# Allegro board BeagleBoard-X15_RevA2.brd (continued)
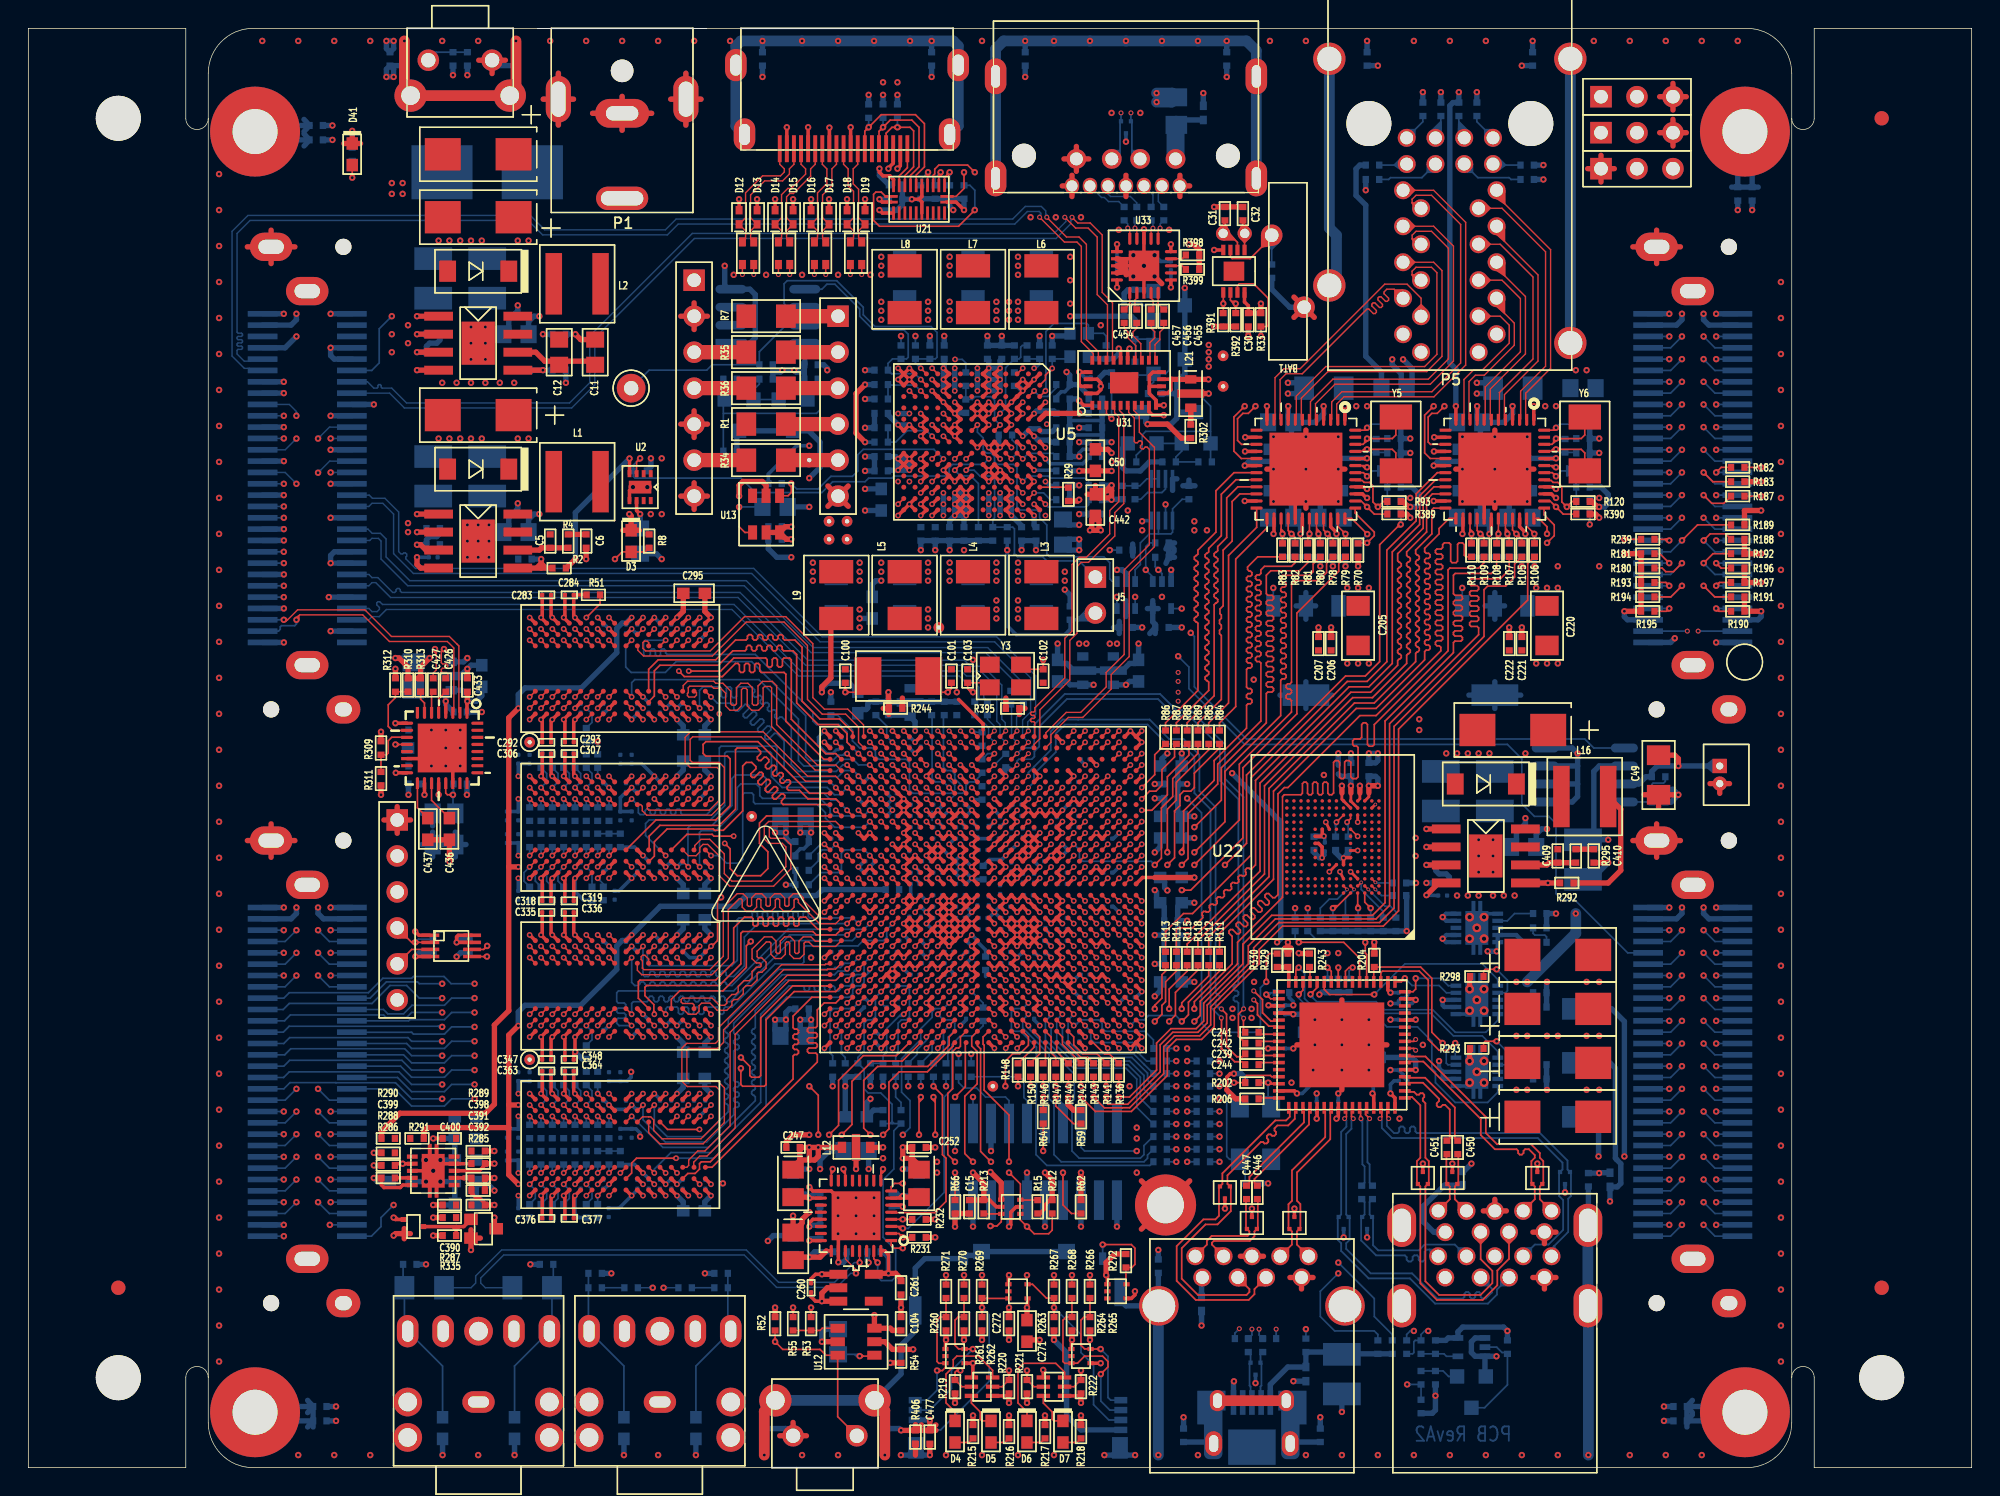
[diagram p0: board, top side]
## Routing (per net, layer and track width the routed paths; a pad name or vN(x,y) marks a point on that pad's centre or on a via; arc(x,y) is an arc through that point) (continued)
  SIG_L10 w0.094: v1(40.98,20.8) 40.68,20.8 40.58,20.9 40.58,21.17 41.8,22.39 41.8,31.52 41.31,32 40.98,32 v1(40.98,32) 40.67,32 40.58,32.1 40.58,32.42 40.91,32.75 42.22,32.75 42.54,33.08 42.54,33.8 42.64,33.89 42.82,33.89 42.92,33.8 42.92,33.08 43.25,32.75 43.76,32.75 44.09,33.08 44.09,33.8 44.19,33.89 44.37,33.89 44.47,33.8 44.47,33.08 44.8,32.75 45.31,32.75 45.64,33.08 45.64,33.8 45.74,33.89 45.92,33.89 46.02,33.8 46.02,33.08 46.35,32.75 46.86,32.75 47.19,33.08 47.19,33.8 47.29,33.89 47.47,33.89 47.57,33.8 47.57,33.08 47.89,32.75 48.41,32.75 48.74,33.08 48.74,33.8 48.83,33.89 49.02,33.89 49.12,33.8 49.12,32.74 49.49,32.37 50.84,32.37 55.26,36.79 55.26,40.3 55.35,40.39 55.59,40.39 55.68,40.47 55.68,40.58 55.59,40.67 55.35,40.67 55.26,40.75 55.26,40.87 55.35,40.95 55.59,40.95 55.68,41.03 55.68,41.15 55.59,41.23 55.35,41.23 55.26,41.31 55.26,41.55 56.12,42.41 v1(56.19,42.41)
  BOTTOM w0.12: R281.1 v1(40.98,20.8)
DDR2_CLK0N: length 48.8
  TOP w0.12: v1(40.18,20.8) U25.K7 ; v1(40.18,32) U26.K7 ; U11.T27 v1(56.99,42.41)
  SIG_L10 w0.094: v1(40.18,20.8) 40.18,21.34 41.4,22.56 41.4,31.35 41.15,31.6 40.58,31.6 v1(40.18,32) 40.18,32.02 40.19,32.03 40.19,32.59 40.75,33.15 42.05,33.15 42.14,33.24 42.14,33.96 42.47,34.29 42.99,34.29 43.32,33.96 43.32,33.24 43.41,33.15 43.6,33.15 43.69,33.24 43.69,33.96 44.02,34.29 44.54,34.29 44.87,33.96 44.87,33.24 44.96,33.15 45.15,33.15 45.24,33.24 45.24,33.96 45.57,34.29 46.09,34.29 46.42,33.96 46.42,33.24 46.51,33.15 46.7,33.15 46.79,33.24 46.79,33.96 47.12,34.29 47.64,34.29 47.97,33.96 47.97,33.24 48.06,33.15 48.25,33.15 48.34,33.24 48.34,33.96 48.67,34.29 49.19,34.29 49.52,33.96 49.52,32.91 49.66,32.77 50.67,32.77 54.86,36.96 54.86,41.66 56.01,42.8 56.35,42.8 56.75,42.41 v1(56.99,42.41)
  BOTTOM w0.12: R280.1 v1(40.18,20.8)
DDR2_CLK_TRM: length 1.6
  BOTTOM w0.12: C334.2 R281.2 R280.2
DDR2_CSN0: length 49.7
  TOP w0.12: U11.P24 v1(59.39,40.01) ; v1(39.38,36.8) U26.L2 ; v1(39.38,25.6) U25.L2
  SIG_L5 w0.094: v1(59.39,40.01) 58.88,40.51 54.61,40.51 54.48,40.39 54.48,39.46 54.39,39.37 54.2,39.37 54.11,39.46 54.11,40.18 54.02,40.26 53.91,40.26 53.82,40.18 53.82,39.45 53.74,39.37 53.63,39.37 53.54,39.45 53.54,40.18 53.46,40.26 53.34,40.26 53.26,40.18 53.26,39.45 53.18,39.37 53.06,39.37 52.98,39.45 52.98,40.18 52.9,40.26 52.78,40.26 52.7,40.18 52.7,39.45 52.61,39.37 52.5,39.37 52.41,39.45 52.41,40.18 52.33,40.26 52.22,40.26 52.13,40.18 52.13,39.45 52.05,39.37 51.93,39.37 51.85,39.45 51.85,40.18 51.77,40.26 51.65,40.26 51.57,40.18 51.57,39.45 51.49,39.37 51.37,39.37 51.29,39.45 51.29,40.18 51.2,40.26 51.09,40.26 51.01,40.18 51.01,39.45 50.92,39.37 50.81,39.37 50.72,39.45 50.72,40.18 50.64,40.26 50.52,40.26 50.44,40.18 50.44,39.45 49.85,38.86 40.64,38.86 39.78,38 39.78,37.24 39.38,36.84 v1(39.38,36.8) 38.98,36.4 38.98,33.03 39.74,32.26 39.74,29.91 39.62,29.79 39.62,29.63 39.74,29.51 39.74,29.35 39.62,29.23 39.62,29.07 39.74,28.95 39.74,28.79 39.62,28.66 39.62,28.5 39.74,28.38 39.74,28.22 39.62,28.1 39.62,27.94 39.74,27.82 39.74,27.66 39.62,27.54 39.62,27.38 39.74,27.26 39.74,27.09 39.62,26.97 39.62,26.81 39.74,26.69 39.74,25.97 v1(39.38,25.6)
  BOTTOM w0.12: R351.1 39.78,26.6 39.78,26 v1(39.38,25.6)
DDR2_D0: length 20.5
  TOP w0.12: v1(45.78,20.8) U25.D7 ; U11.E26 v1(57.79,32.81)
  INT_L3 w0.094: v1(57.79,32.81) 54.99,32.81 53.98,31.79 53.98,29.84 48.51,24.38 47.24,24.38 46.23,23.37 46.23,21.25 v1(45.78,20.8)
DDR2_D1: length 20.5
  TOP w0.12: v1(46.58,25.6) U25.C2 ; U11.G25 v1(58.59,34.41)
  INT_L3 w0.094: v1(46.58,25.6) 47,26.02 48.63,26.02 51.18,28.57 51.18,29.24 51.26,29.32 51.35,29.32 51.44,29.41 51.44,29.52 51.35,29.61 51.26,29.61 51.18,29.69 51.18,29.81 51.26,29.89 51.35,29.89 51.44,29.97 51.44,30.09 51.35,30.17 51.26,30.17 51.18,30.25 51.18,30.37 51.26,30.45 51.35,30.45 51.44,30.53 51.44,30.65 51.35,30.73 51.26,30.73 51.18,30.82 51.18,30.93 51.26,31.02 51.35,31.02 51.44,31.1 51.44,31.22 51.35,31.3 51.26,31.3 51.18,31.38 51.18,31.5 51.26,31.58 51.35,31.58 51.44,31.66 51.44,31.78 51.35,31.86 51.26,31.86 51.18,31.94 51.18,32.26 52.95,34.03 58.21,34.03 v1(58.59,34.41)
DDR2_D2: length 20.4
  TOP w0.12: v1(48.18,24.8) U25.A3 ; U11.F25 v1(58.59,33.61)
  INT_L3 w0.094: v1(58.59,33.61) 58.37,33.61 57.99,33.23 53.18,33.23 53.09,33.13 53.09,32.53 53.17,32.45 53.51,32.45 53.59,32.36 53.59,32.25 53.51,32.16 53.17,32.16 53.09,32.08 53.09,31.4 53.17,31.32 53.51,31.32 53.59,31.24 53.59,31.12 53.51,31.04 53.17,31.04 53.09,30.95 53.09,30.84 53.17,30.75 53.51,30.75 53.59,30.67 53.59,30.55 53.51,30.47 53.17,30.47 53.09,30.39 53.09,30.27 53.17,30.19 53.51,30.19 53.59,30.11 53.59,29.97 48.43,24.8 v1(48.18,24.8)
DDR2_D3: length 20.5
  TOP w0.12: v1(47.38,20) U25.B8 ; U11.F24 v1(59.39,33.61)
  INT_L3 w0.094: v1(59.39,33.61) 59.39,33.34 59.01,32.96 59.01,32.62 58.78,32.38 58.42,32.38 58.21,32.17 58.21,31.89 57.94,31.62 56.9,31.62 56.58,31.31 56.58,31.05 51.18,25.65 51.18,23.8 v1(47.38,20)
DDR2_D4: length 20.3
  TOP w0.12: U11.F26 v1(57.79,33.61) ; v1(48.18,25.6) U25.A2
  INT_L3 w0.094: v1(57.79,33.61) 53.04,33.61 51.82,32.38 51.82,32.16 51.9,32.08 52.24,32.08 52.32,32 52.32,31.88 52.24,31.8 51.9,31.8 51.82,31.72 51.82,31.6 51.9,31.52 52.24,31.52 52.32,31.43 52.32,31.32 52.24,31.24 51.9,31.24 51.82,31.15 51.82,31.04 51.9,30.95 52.24,30.95 52.32,30.87 52.32,30.75 52.24,30.67 51.9,30.67 51.82,30.59 51.82,30.47 51.9,30.39 52.24,30.39 52.32,30.31 52.32,30.19 52.24,30.11 51.9,30.11 51.82,30.03 51.82,29.91 51.9,29.83 52.24,29.83 52.32,29.74 52.32,29.63 52.24,29.54 51.9,29.54 51.82,29.46 51.82,28.7 48.72,25.6 v1(48.18,25.6)
DDR2_D5: length 20.4
  TOP w0.12: U11.F27 56.99,33.61 54.05,33.61 52.07,31.62 52.07,27.04 51.95,26.92 50.41,26.92 50.29,27.04 v2(50.29,28.19) ; v1(46.58,24.8) U25.C3
  SIG_L10 w0.094: v2(50.29,28.19) 48.51,28.19 46.99,26.67 46.99,25.21 v1(46.58,24.8)
DDR2_D6: length 20.1
  TOP w0.12: U25.A7 47.79,21.21 48.26,21.21 55.68,28.63 55.68,29.16 55.58,29.26 55.1,29.26 54.99,29.37 54.99,29.52 55.1,29.62 55.58,29.62 55.68,29.73 55.68,29.88 55.58,29.98 55.1,29.98 54.99,30.09 54.99,30.24 55.1,30.34 55.58,30.34 55.68,30.45 55.68,30.6 55.58,30.7 55.1,30.7 54.99,30.81 54.99,30.96 55.1,31.06 55.58,31.06 55.68,31.17 55.68,32.32 56.17,32.81 56.99,32.81 U11.E27
DDR2_D7: length 20.1
  TOP w0.12: U25.C8 46.55,20.77 47.06,20.77 47.37,21.07 47.37,21.46 47.5,21.59 48.13,21.59 53.98,27.43 53.98,29.06 54.08,29.16 54.25,29.16 54.36,29.27 54.36,29.42 54.25,29.52 54.08,29.52 53.98,29.63 53.98,29.77 54.08,29.88 54.25,29.88 54.36,29.99 54.36,30.13 54.25,30.24 54.08,30.24 53.98,30.35 53.98,30.49 54.08,30.6 54.25,30.6 54.36,30.7 54.36,30.85 54.25,30.96 54.08,30.96 53.98,31.06 53.98,31.88 55.3,33.21 U11.E28
DDR2_D8: length 28.4
  TOP w0.12: v1(47.37,23.88) 45.11,23.88 U25.E3 ; U11.H23 v1(60.19,35.21)
  INT_L3 w0.094: v1(60.19,35.21) 59.78,34.8 59.18,34.8 58.96,34.58 58.96,33.4 58.79,33.23 58.48,33.23 58.17,32.92 58.17,32.59 57.96,32.38 55.37,32.38 54.86,31.88 54.86,30.1 50.8,26.04 50.8,24 48.26,21.46 46.86,21.46 46.74,21.59 46.74,23.24 v1(47.37,23.88)
DDR2_D9: length 28.8
  TOP w0.12: U11.H25 v1(58.59,35.21) ; v1(42.58,24.8) U25.H3
  BOTTOM w0.12: v1(42.58,24.8) 44.78,22.61 48.01,22.61 51.31,25.91 51.31,26.18 51.2,26.28 51.16,26.28 51.05,26.39 51.05,26.54 51.16,26.64 51.2,26.64 51.31,26.75 51.31,26.9 51.2,27 51.16,27 51.05,27.11 51.05,27.26 51.16,27.36 51.2,27.36 51.31,27.47 51.31,27.62 51.2,27.72 51.16,27.72 51.05,27.83 51.05,27.98 51.16,28.08 51.2,28.08 51.31,28.19 51.31,28.34 51.2,28.44 51.16,28.44 51.05,28.55 51.05,28.7 51.16,28.8 51.2,28.8 51.31,28.91 51.31,29.06 51.2,29.16 51.16,29.16 51.05,29.27 51.05,29.42 51.16,29.52 51.2,29.52 51.31,29.63 51.31,29.78 51.2,29.88 51.16,29.88 51.05,29.99 51.05,30.14 51.16,30.24 51.2,30.24 51.31,30.35 51.31,30.5 51.2,30.6 51.16,30.6 51.05,30.71 51.05,30.86 51.16,30.96 51.2,30.96 51.31,31.07 51.31,32.26 53.47,34.42 57.02,34.42 57.41,34.81 58.05,34.81 58.45,35.21 v1(58.59,35.21)
DDR2_D10: length 28.5
  TOP w0.12: v1(45.72,21.84) 42.93,21.84 42.58,21.5 42.58,20.8 U25.H8 ; U11.H24 v1(59.39,35.21)
  BOTTOM w0.12: v1(59.39,35.21) 59.39,35 58.99,34.6 58.99,34.24 58.75,34.01 58.42,34.01 58.19,33.77 58.19,33.44 57.95,33.21 53.53,33.21 52.07,31.75 52.07,25.53 48.39,21.84 v1(45.72,21.84)
DDR2_D11: length 28.7
  TOP w0.12: U11.H26 v1(57.79,35.21) ; v1(43.38,25.6) U25.G2
  BOTTOM w0.12: v1(57.79,35.21) 57.63,35.05 57.15,35.05 56.9,34.8 53.21,34.8 49.78,31.37 49.78,30.69 49.89,30.59 50.06,30.59 50.16,30.48 50.16,30.33 50.06,30.23 49.89,30.23 49.78,30.12 49.78,29.98 49.89,29.87 50.06,29.87 50.16,29.76 50.16,29.62 50.06,29.51 49.89,29.51 49.78,29.4 49.78,27.34 49.89,27.24 50.06,27.24 50.16,27.13 50.16,26.98 50.06,26.88 49.89,26.88 49.78,26.77 49.78,26.62 49.89,26.52 50.06,26.52 50.16,26.41 50.16,26.26 50.06,26.16 49.89,26.16 49.78,26.05 49.78,25.9 49.89,25.8 50.06,25.8 50.16,25.69 50.16,25.54 50.06,25.44 49.89,25.44 49.78,25.33 49.78,24.9 47.87,22.99 44.96,22.99 43.38,24.56 v1(43.38,25.6)
DDR2_D12: length 28.2
  TOP w0.12: U11.G26 v1(57.79,34.41) ; v1(41.78,20.8) U25.H7
  INT_L3 w0.094: v1(57.79,34.41) 52.82,34.41 47.12,28.7 45.97,28.7 43.78,26.51 43.78,22.8 43.48,22.5 43.36,22.5 43.02,22.84 42.9,22.84 42.82,22.75 42.82,22.64 43.16,22.3 43.16,22.18 43.08,22.1 42.96,22.1 42.62,22.44 42.5,22.44 42.42,22.36 42.42,22.24 42.76,21.9 42.76,21.78 42.68,21.7 42.56,21.7 42.22,22.04 42.11,22.04 42.02,21.96 42.02,21.84 42.36,21.5 42.36,21.38 v1(41.78,20.8)
DDR2_D13: length 28.4
  TOP w0.12: v1(44.18,25.6) U25.F2 ; U11.J25 v1(58.59,36.01)
  BOTTOM w0.12: v1(44.18,25.6) 44.18,24.27 45.09,23.37 47.64,23.37 49.4,25.13 49.4,25.57 49.3,25.67 49.25,25.67 49.15,25.78 49.15,25.93 49.25,26.03 49.3,26.03 49.4,26.14 49.4,26.28 49.3,26.39 49.25,26.39 49.15,26.5 49.15,26.64 49.25,26.75 49.3,26.75 49.4,26.86 49.4,27 49.3,27.11 49.25,27.11 49.15,27.21 49.15,27.36 49.25,27.47 49.3,27.47 49.4,27.57 49.4,27.72 49.3,27.83 49.25,27.83 49.15,27.93 49.15,28.08 49.25,28.19 49.3,28.19 49.4,28.29 49.4,28.44 49.3,28.55 49.25,28.55 49.15,28.65 49.15,28.8 49.25,28.91 49.3,28.91 49.4,29.01 49.4,29.16 49.3,29.27 49.25,29.27 49.15,29.37 49.15,29.52 49.25,29.63 49.3,29.63 49.4,29.73 49.4,29.88 49.3,29.99 49.25,29.99 49.15,30.09 49.15,30.24 49.25,30.35 49.3,30.35 49.4,30.45 49.4,30.6 49.3,30.71 49.25,30.71 49.15,30.81 49.15,30.96 49.25,31.07 49.3,31.07 49.4,31.17 49.4,31.62 52.96,35.18 56.8,35.18 56.93,35.31 57.32,35.31 57.62,35.61 58.19,35.61 v1(58.59,36.01)
DDR2_D14: length 28.6
  TOP w0.12: v1(44.18,20) U25.F8 ; U11.J26 v1(57.79,36.01)
  SIG_L10 w0.094: v1(44.18,20) 44.63,20.45 45.13,20.45 45.34,20.66 45.34,20.95 45.83,21.45 45.95,21.45 46.09,21.31 46.21,21.31 46.29,21.4 46.29,21.51 46.15,21.65 46.15,21.77 46.23,21.85 46.35,21.85 46.49,21.71 46.6,21.71 46.69,21.79 46.69,21.91 46.55,22.05 46.55,22.17 46.63,22.25 46.75,22.25 46.89,22.11 47,22.11 47.09,22.19 47.09,22.31 46.95,22.45 46.95,22.56 47.03,22.65 47.15,22.65 47.28,22.51 47.4,22.51 47.48,22.59 47.48,22.71 47.35,22.85 47.35,22.96 47.43,23.05 47.55,23.05 47.68,22.91 47.8,22.91 47.88,22.99 47.88,23.11 47.75,23.24 47.75,23.36 47.83,23.44 47.94,23.44 48.08,23.31 48.2,23.31 48.28,23.39 48.28,23.51 48.14,23.64 48.14,23.76 48.23,23.84 48.34,23.84 48.48,23.71 48.6,23.71 48.68,23.79 48.68,23.9 48.54,24.04 48.54,24.16 48.63,24.24 48.74,24.24 48.88,24.1 49,24.1 49.08,24.19 49.08,24.3 48.94,24.44 48.94,24.56 49.02,24.64 49.14,24.64 49.28,24.5 49.4,24.5 49.48,24.59 49.48,24.7 49.34,24.84 49.34,24.96 51.82,27.43 51.82,31.37 55.88,35.43 57.21,35.43 v1(57.79,36.01)
DDR2_D15: length 28.8
  TOP w0.12: U11.J24 v1(59.39,36.01) ; v1(44.18,20.8) U25.F7
  BOTTOM w0.12: v1(59.39,36.01) 59.37,36.01 58.99,35.62 58.99,34.98 58.81,34.81 58.42,34.81 58.19,34.57 58.19,34.24 57.95,34.01 57.39,34.01 57.28,33.9 57.28,33.76 57.18,33.66 57.03,33.66 56.92,33.76 56.92,33.9 56.82,34.01 56.67,34.01 56.56,33.9 56.56,33.76 56.46,33.66 56.31,33.66 56.2,33.76 56.2,33.9 56.1,34.01 55.95,34.01 55.85,33.9 55.85,33.76 55.74,33.66 55.59,33.66 55.49,33.76 55.49,33.9 55.38,34.01 55.23,34.01 55.13,33.9 55.13,33.76 55.02,33.66 54.87,33.66 54.77,33.76 54.77,33.9 54.66,34.01 53.69,34.01 51.69,32 51.69,25.78 48.15,22.24 45.36,22.24 44.18,21.07 v1(44.18,20.8)
DDR2_D16: length 20.8
  TOP w0.12: U26.D7 45.38,33.06 45.97,33.66 49.02,33.66 50.67,35.31 50.67,36.83 v2(50.99,37.15) ; U11.L22 v1(60.99,37.61)
  INT_L3 w0.094: v1(60.99,37.61) 60.56,38.03 59.95,38.03 59.81,38.17 59.81,38.49 59.47,38.83 52.67,38.83 v2(50.99,37.15)
DDR2_D17: length 21.1
  TOP w0.12: U11.K20 v1(62.59,36.81) ; v1(46.58,31.2) U26.C8
  INT_L3 w0.094: v1(46.58,31.2) 45.97,31.81 45.97,32.51 46.23,32.77 50.04,32.77 53.7,36.43 62.21,36.43 v1(62.59,36.81)
DDR2_D18: length 20.5
  TOP w0.12: U26.A2 v1(48.18,36.8) 48.23,36.8 48.64,37.21 48.64,40.01 v2(48.89,40.26) ; U11.K21 v1(61.79,36.81)
  INT_L3 w0.094: v2(48.89,40.26) 54.61,40.26 54.74,40.39 59.56,40.39 59.81,40.14 59.81,39.85 60.03,39.63 60.32,39.63 60.61,39.34 60.61,39.05 60.83,38.83 61.12,38.83 61.36,38.59 61.36,37.23 v1(61.79,36.81)
DDR2_D19: length 21
  TOP w0.12: v1(46.58,36.8) U26.C2 ; U11.L23 v1(60.19,37.61)
  INT_L3 w0.094: v1(46.58,36.8) 47.03,37.25 48.35,37.25 49.21,36.39 49.21,35.4 49.31,35.31 51.05,35.31 53.78,38.03 54.63,38.03 54.71,37.95 54.71,37.67 54.79,37.59 54.91,37.59 54.99,37.67 54.99,37.95 55.07,38.03 55.19,38.03 55.27,37.95 55.27,37.67 55.36,37.59 55.47,37.59 55.55,37.67 55.55,37.95 55.64,38.03 55.75,38.03 55.84,37.95 55.84,37.67 55.92,37.59 56.04,37.59 56.12,37.67 56.12,37.95 56.2,38.03 56.32,38.03 56.4,37.95 56.4,37.67 56.48,37.59 56.6,37.59 56.68,37.67 56.68,37.95 56.77,38.03 56.88,38.03 56.96,37.95 56.96,37.67 57.05,37.59 57.16,37.59 57.25,37.67 57.25,37.95 57.33,38.03 59.49,38.03 59.53,37.98 59.54,37.98 59.92,37.61 v1(60.19,37.61)
DDR2_D20: length 20.7
  TOP w0.12: U11.L24 v1(59.39,37.61) ; v1(45.78,36) U26.C3
  INT_L3 w0.094: v1(45.78,36) 46.55,36 46.99,36.45 48.39,36.45 48.64,36.2 48.64,35.69 47.62,34.67 47.62,33.66 47.75,33.53 49.78,33.53 53.38,37.12 58.64,37.12 59.12,37.61 v1(59.39,37.61)
DDR2_D21: length 20.9
  TOP w0.12: v1(47.38,31.2) U26.B8 ; U11.J23 v1(60.19,36.01)
  INT_L3 w0.094: v1(60.19,36.01) 59.81,35.63 57.6,35.63 56.77,34.8 56.55,34.8 56.47,34.88 56.47,35.22 56.38,35.31 56.27,35.31 56.18,35.22 56.18,34.88 56.1,34.8 55.98,34.8 55.9,34.88 55.9,35.22 55.82,35.31 55.7,35.31 55.62,35.22 55.62,34.88 55.54,34.8 55.42,34.8 55.34,34.88 55.34,35.22 55.26,35.31 55.14,35.31 55.06,35.22 55.06,34.88 54.97,34.8 54.86,34.8 54.77,34.88 54.77,35.22 54.69,35.31 54.57,35.31 54.49,35.22 54.49,34.88 54.41,34.8 54.29,34.8 54.21,34.88 54.21,35.22 54.13,35.31 54.01,35.31 53.93,35.22 53.93,34.88 53.85,34.8 53.73,34.8 53.65,34.88 53.65,35.22 53.56,35.31 53.45,35.31 53.36,35.22 53.36,34.88 53.28,34.8 52.7,34.8 49.53,31.62 47.8,31.62 v1(47.38,31.2)
DDR2_D22: length 20.7
  TOP w0.12: v1(48.18,36) U26.A3 ; U11.K22 v1(60.99,36.81)
  INT_L3 w0.094: v1(48.18,36) 46.61,34.43 46.61,33.4 46.86,33.15 49.91,33.15 53.54,36.78 58.78,36.78 59.22,37.21 60.58,37.21 60.98,36.81 v1(60.99,36.81)
DDR2_D23: length 20.9
  TOP w0.12: v1(48.18,32) U26.A7 ; U11.J20 v1(62.59,36.01)
  SIG_L5 w0.094: v1(62.59,36.01) 62.22,36.37 52.55,36.37 51.49,35.31 51.49,35.19 51.6,35.08 51.6,34.96 51.52,34.88 51.4,34.88 51.29,34.99 51.17,34.99 51.09,34.91 51.09,34.79 51.2,34.68 51.2,34.56 51.12,34.48 51,34.48 50.89,34.59 50.77,34.59 50.69,34.51 50.69,34.39 50.8,34.28 50.8,34.16 50.72,34.08 50.6,34.08 50.49,34.19 50.37,34.19 50.29,34.11 50.29,33.99 50.4,33.88 50.4,33.77 50.32,33.68 50.2,33.68 50.09,33.8 49.98,33.8 49.89,33.71 49.89,33.6 50,33.48 50,33.37 49.92,33.28 49.81,33.28 49.69,33.4 49.58,33.4 49.49,33.31 49.49,33.2 49.61,33.09 49.61,32.97 49.52,32.89 49.41,32.89 49.29,33 49.18,33 49.1,32.92 49.1,32.8 49.21,32.69 49.21,32.57 49.12,32.49 49.01,32.49 48.9,32.6 48.35,32.6 48.18,32.44 v1(48.18,32)
DDR2_D24: length 23.8
  TOP w0.12: v1(44.18,36) U26.E3 ; U11.L27 56.99,37.61 55.61,37.61 55.37,37.85 50.42,37.85 50.29,37.72 50.29,35.56 48.77,34.04 43.64,34.04 43.52,33.92 43.52,33.32 44.15,32.69 44.15,32.04 v1(44.18,32)
  INT_L3 w0.094: v1(44.18,32) v1(44.18,36)
DDR2_D25: length 24.4
  TOP w0.12: v1(42.58,31.2) U26.H8 ; U11.L26 v1(57.79,37.61)
  BOTTOM w0.12: v1(42.58,31.2) 41.69,31.2 41.53,31.37 41.53,31.62 41.63,31.72 42.06,31.72 42.16,31.83 42.16,31.98 42.06,32.08 41.63,32.08 41.53,32.19 41.53,32.34 41.63,32.44 42.06,32.44 42.16,32.55 42.16,32.69 42.06,32.8 41.63,32.8 41.53,32.91 41.53,33.53 41.66,33.66 49.78,33.66 53.73,37.61 v1(57.79,37.61)
DDR2_D26: length 24
  TOP w0.12: U11.L25 v1(58.59,37.61) ; v1(42.58,32) U26.H7
  BOTTOM w0.12: v1(58.59,37.61) 58.56,37.61 58.16,37.21 53.84,37.21 49.53,32.89 49.27,32.89 49.17,33 49.17,33.17 49.06,33.27 48.92,33.27 48.81,33.17 48.81,33 48.7,32.89 48.56,32.89 48.45,33 48.45,33.17 48.34,33.27 48.2,33.27 48.09,33.17 48.09,33 47.99,32.89 47.84,32.89 47.73,33 47.73,33.17 47.63,33.27 47.48,33.27 47.37,33.17 47.37,33 47.27,32.89 47.12,32.89 47.01,33 47.01,33.17 46.91,33.27 46.76,33.27 46.65,33.17 46.65,33 46.55,32.89 46.4,32.89 46.29,33 46.29,33.17 46.19,33.27 46.04,33.27 45.93,33.17 45.93,33 45.83,32.89 45.68,32.89 45.57,33 45.57,33.17 45.47,33.27 45.32,33.27 45.21,33.17 45.21,33 45.11,32.89 44.96,32.89 44.85,33 44.85,33.17 44.75,33.27 44.6,33.27 44.49,33.17 44.49,33 44.39,32.89 44.24,32.89 44.13,33 44.13,33.17 44.03,33.27 43.88,33.27 43.77,33.17 43.77,33 43.67,32.89 42.7,32.89 42.58,32.77 v1(42.58,32)
DDR2_D27: length 24.5
  TOP w0.12: U11.L28 55.72,38.01 54.86,38.86 54.49,38.86 54.38,38.76 54.38,38.33 54.28,38.23 54.13,38.23 54.02,38.33 54.02,38.76 53.92,38.86 53.77,38.86 53.66,38.76 53.66,38.33 53.56,38.23 53.41,38.23 53.3,38.33 53.3,38.76 53.2,38.86 53.05,38.86 52.95,38.76 52.95,38.33 52.84,38.23 52.69,38.23 52.59,38.33 52.59,38.76 52.48,38.86 52.33,38.86 52.23,38.76 52.23,38.33 52.12,38.23 51.97,38.23 51.87,38.33 51.87,38.76 51.76,38.86 51.61,38.86 51.51,38.76 51.51,38.33 51.4,38.23 51.25,38.23 51.15,38.33 51.15,38.76 51.04,38.86 50.55,38.86 49.78,38.1 49.78,35.69 48.51,34.42 43.17,34.42 43.05,34.3 43.05,33.13 U26.F7
DDR2_D28: length 24.2
  TOP w0.12: U11.M23 v1(60.19,38.41) ; v1(44.18,31.2) U26.F8
  INT_L3 w0.094: v1(60.19,38.41) 60.19,38.62 59.82,38.99 59.82,39.24 59.56,39.5 47.98,39.5 46.14,37.65 46.14,37.46 45.83,37.16 45.64,37.16 45.34,36.85 45.34,36.66 45.13,36.45 44.93,36.45 44.58,36.1 44.58,31.6 v1(44.18,31.2)
DDR2_D29: length 23.9
  TOP w0.12: v1(42.58,36) U26.H3 ; U11.M24 v1(59.39,38.41)
  BOTTOM w0.12: v1(59.39,38.41) 58.99,38.01 53.63,38.01 49.66,34.04 49.37,34.04 49.27,34.14 49.27,34.18 49.16,34.29 49.01,34.29 48.91,34.18 48.91,34.14 48.8,34.04 48.65,34.04 48.55,34.14 48.55,34.18 48.44,34.29 48.29,34.29 48.19,34.18 48.19,34.14 48.08,34.04 47.93,34.04 47.83,34.14 47.83,34.18 47.72,34.29 47.57,34.29 47.47,34.18 47.47,34.14 47.36,34.04 47.21,34.04 47.11,34.14 47.11,34.18 47,34.29 46.85,34.29 46.75,34.18 46.75,34.14 46.64,34.04 46.49,34.04 46.39,34.14 46.39,34.18 46.28,34.29 46.13,34.29 46.03,34.18 46.03,34.14 45.92,34.04 45.77,34.04 45.67,34.14 45.67,34.18 45.56,34.29 45.41,34.29 45.31,34.18 45.31,34.14 45.2,34.04 45.05,34.04 44.95,34.14 44.95,34.18 44.84,34.29 44.7,34.29 44.59,34.18 44.59,34.14 44.48,34.04 44.34,34.04 44.23,34.14 44.23,34.18 44.12,34.29 43.98,34.29 43.87,34.18 43.87,34.14 43.77,34.04 43.62,34.04 43.51,34.14 43.51,34.18 43.41,34.29 43.26,34.29 43.15,34.18 43.15,34.14 43.05,34.04 42.8,34.04 42.58,34.25 v1(42.58,36)
DDR2_D30: length 24.6
  TOP w0.12: U11.M25 v1(58.59,38.41) ; v1(44.18,36.8) U26.F2
  BOTTOM w0.12: v1(44.18,36.8) 43.69,36.31 43.69,35.56 43.81,35.43 49.66,35.43 50.04,35.81 50.04,38.69 50.16,38.81 50.99,38.81 51.1,38.91 51.1,39.14 51.2,39.24 51.35,39.24 51.46,39.14 51.46,38.91 51.56,38.81 51.71,38.81 51.82,38.91 51.82,39.14 51.92,39.24 52.07,39.24 52.18,39.14 52.18,38.91 52.28,38.81 52.43,38.81 52.54,38.91 52.54,39.14 52.64,39.24 52.79,39.24 52.9,39.14 52.9,38.91 53,38.81 53.15,38.81 53.25,38.91 53.25,39.14 53.36,39.24 53.51,39.24 53.61,39.14 53.61,38.91 53.72,38.81 53.87,38.81 53.97,38.91 53.97,39.14 54.08,39.24 54.23,39.24 54.33,39.14 54.33,38.91 54.44,38.81 54.59,38.81 54.69,38.91 54.69,39.14 54.8,39.24 54.95,39.24 55.05,39.14 55.05,38.91 55.16,38.81 58.19,38.81 v1(58.59,38.41)
DDR2_D31: length 24.5
  TOP w0.12: U11.M26 v1(57.79,38.41) ; v1(43.38,36.8) U26.G2
  BOTTOM w0.12: v1(57.79,38.41) 51.49,38.41 50.54,37.45 50.54,35.42 49.78,34.67 49.36,34.67 49.25,34.78 49.25,34.95 49.14,35.05 49,35.05 48.89,34.95 48.89,34.78 48.79,34.67 48.64,34.67 48.53,34.78 48.53,34.95 48.43,35.05 48.28,35.05 48.17,34.95 48.17,34.78 48.07,34.67 47.92,34.67 47.81,34.78 47.81,34.95 47.71,35.05 47.56,35.05 47.45,34.95 47.45,34.78 47.35,34.67 47.2,34.67 47.09,34.78 47.09,34.95 46.99,35.05 46.84,35.05 46.73,34.95 46.73,34.78 46.63,34.67 46.48,34.67 46.37,34.78 46.37,34.95 46.27,35.05 46.12,35.05 46.01,34.95 46.01,34.78 45.91,34.67 45.76,34.67 45.65,34.78 45.65,34.95 45.55,35.05 45.4,35.05 45.29,34.95 45.29,34.78 45.19,34.67 45.04,34.67 44.93,34.78 44.93,34.95 44.83,35.05 44.68,35.05 44.57,34.95 44.57,34.78 44.47,34.67 44.32,34.67 44.21,34.78 44.21,34.95 44.11,35.05 43.96,35.05 43.86,34.95 43.86,34.78 43.75,34.67 43.5,34.67 43.38,34.79 v1(43.38,36.8)
DDR2_DQM0: length 20.1
  TOP w0.12: v1(45.78,24.8) U25.D3 ; v2(50.29,28.96) 50.93,28.32 50.93,27.68 51.05,27.56 51.57,27.56 51.69,27.68 51.69,31.75 53.94,34.01 56.37,34.01 U11.F28
  SIG_L10 w0.094: v1(45.78,24.8) 46.23,25.25 46.23,26.92 48.26,28.96 v2(50.29,28.96)
DDR2_DQM1: length 28.8
  TOP w0.12: U11.G24 v1(59.39,34.41) ; v1(44.98,20.8) U25.E7
  INT_L3 w0.094: v1(59.39,34.41) 59.81,33.98 59.81,32.63 59.61,32.43 59.28,32.43 59.01,32.16 59.01,31.88 58.76,31.62 58.42,31.62 58.17,31.37 58.17,31.11 57.91,30.86 56.9,30.86 51.56,25.53 51.56,21.84 51.28,21.56 51.16,21.56 51.02,21.7 50.91,21.7 50.82,21.61 50.82,21.5 50.96,21.36 50.96,21.24 50.88,21.16 50.76,21.16 50.62,21.3 50.51,21.3 50.42,21.21 50.42,21.1 50.56,20.96 50.56,20.84 50.48,20.76 50.36,20.76 50.22,20.9 50.11,20.9 50.03,20.82 50.03,20.7 50.16,20.56 50.16,20.44 50.08,20.36 49.96,20.36 49.83,20.5 49.71,20.5 49.63,20.42 49.63,20.3 49.76,20.16 49.76,20.05 49.28,19.56 45.59,19.56 45.34,19.81 45.34,20.45 v1(44.98,20.8)
DDR2_DQM2: length 21.1
  TOP w0.12: U11.K23 v1(60.19,36.81) ; v1(44.98,36) U26.D3
  SIG_L5 w0.094: v1(60.19,36.81) 60.17,36.81 59.77,37.21 51.7,37.21 49.67,35.18 49.55,35.18 49.47,35.26 49.47,35.48 49.39,35.56 49.27,35.56 49.19,35.48 49.19,35.26 49.1,35.18 48.99,35.18 48.9,35.26 48.9,35.48 48.82,35.56 48.7,35.56 48.62,35.48 48.62,35.26 48.54,35.18 48.42,35.18 48.34,35.26 48.34,35.48 48.26,35.56 48.14,35.56 48.06,35.48 48.06,35.26 47.98,35.18 47.86,35.18 47.78,35.26 47.78,35.48 47.69,35.56 47.58,35.56 47.49,35.48 47.49,35.26 47.41,35.18 47.3,35.18 47.21,35.26 47.21,35.48 47.13,35.56 47.01,35.56 46.93,35.48 46.93,35.26 46.85,35.18 46.73,35.18 46.65,35.26 46.65,35.48 46.57,35.56 46.45,35.56 46.37,35.48 46.37,35.26 46.28,35.18 45.81,35.18 v1(44.98,36)
DDR2_DQM3: length 24
  TOP w0.12: U11.M22 v1(60.99,38.41) ; v1(44.98,32) U26.E7
  BOTTOM w0.12: v1(60.99,38.41) 60.99,38.38 60.59,37.98 60.59,37.44 60.35,37.21 58.92,37.21 58.55,36.83 54.86,36.83 54.74,36.7 54.74,35.69 54.61,35.56 52.71,35.56 49.66,32.51 49.2,32.51 49.09,32.41 49.09,32.11 48.98,32 48.84,32 48.73,32.11 48.73,32.41 48.62,32.51 47.78,32.51 47.68,32.41 47.68,32.11 47.57,32 47.42,32 47.32,32.11 47.32,32.41 47.21,32.51 47.06,32.51 46.96,32.41 46.96,32.11 46.85,32 46.7,32 46.6,32.11 46.6,32.41 46.49,32.51 46.35,32.51 46.24,32.41 46.24,32.11 46.13,32 45.99,32 45.88,32.11 45.88,32.41 45.77,32.51 45.1,32.51 44.98,32.39 v1(44.98,32)
DDR2_DQS0: length 20.1
  TOP w0.102: U25.C7 46.48,21.2 46.61,21.34 46.61,21.72 47.24,22.35 47.75,22.35 49.53,24.13 49.53,30.73 53.55,34.75 56.53,34.75 U11.G28
DDR2_DQS1: length 28.4
  TOP w0.102: U25.F3 43.78,23.65 44.58,22.86 47.62,22.86 49.12,24.36 49.12,26.82 48.68,27.26 46.66,27.26 46.48,27.43 46.48,29.46 46.61,29.6 48.65,29.6 49.07,30.02 49.07,30.91 53.3,35.14 56.37,35.14 56.42,35.2 56.98,35.2 U11.H27
DDR2_DQS2: length 20.6
  TOP w0.102: U11.K27 56.98,36.8 55.41,36.8 55.09,37.11 54.84,37.11 54.75,37.02 54.75,36.24 54.45,35.94 54.03,35.94 53.73,36.24 53.73,37.02 53.64,37.11 53.52,37.11 53.43,37.02 53.43,36.24 53.13,35.94 52.71,35.94 52.41,36.24 52.41,37.02 52.32,37.11 52.09,37.11 51.44,36.45 51.44,36.07 51.52,35.98 51.77,35.98 52.07,35.69 52.07,35.27 51.77,34.97 51.52,34.97 51.44,34.88 51.44,34.42 51.03,34.02 50.65,34.02 50.46,33.83 50.46,33.45 50.06,33.05 49.8,33.05 49.66,32.9 49.66,32.64 49.3,32.28 48.62,32.28 48.11,32.79 47.52,32.79 47.34,32.61 47.34,32.23 47.12,32 46.58,32 U26.C7
DDR2_DQS3: length 24.2
  TOP w0.102: U26.F3 43.78,35.9 43.52,36.17 43.35,36.17 43.25,36.07 43.25,35.87 43.34,35.78 43.34,35.26 43.44,35.15 48.11,35.15 49.05,36.09 49.05,39.54 50.02,40.51 50.44,40.51 50.74,40.22 50.74,39.71 50.83,39.62 50.96,39.62 51.05,39.71 51.05,40.22 51.34,40.51 51.77,40.51 52.06,40.22 52.06,39.71 52.15,39.62 52.28,39.62 52.37,39.71 52.37,40.22 52.67,40.51 53.09,40.51 53.38,40.22 53.38,39.71 53.47,39.62 53.6,39.62 53.69,39.71 53.69,40.22 53.99,40.51 54.41,40.51 54.7,40.22 54.7,40.04 55.99,38.75 56.53,38.75 U11.M28
DDR2_DQSN0: length 20.1
  TOP w0.102: U11.G27 56.98,34.4 53.7,34.4 49.89,30.58 49.89,23.98 47.9,22 47.39,22 46.96,21.57 46.96,21.22 U25.B7
